# KiCad board keyboard.kicad_pcb (continued)
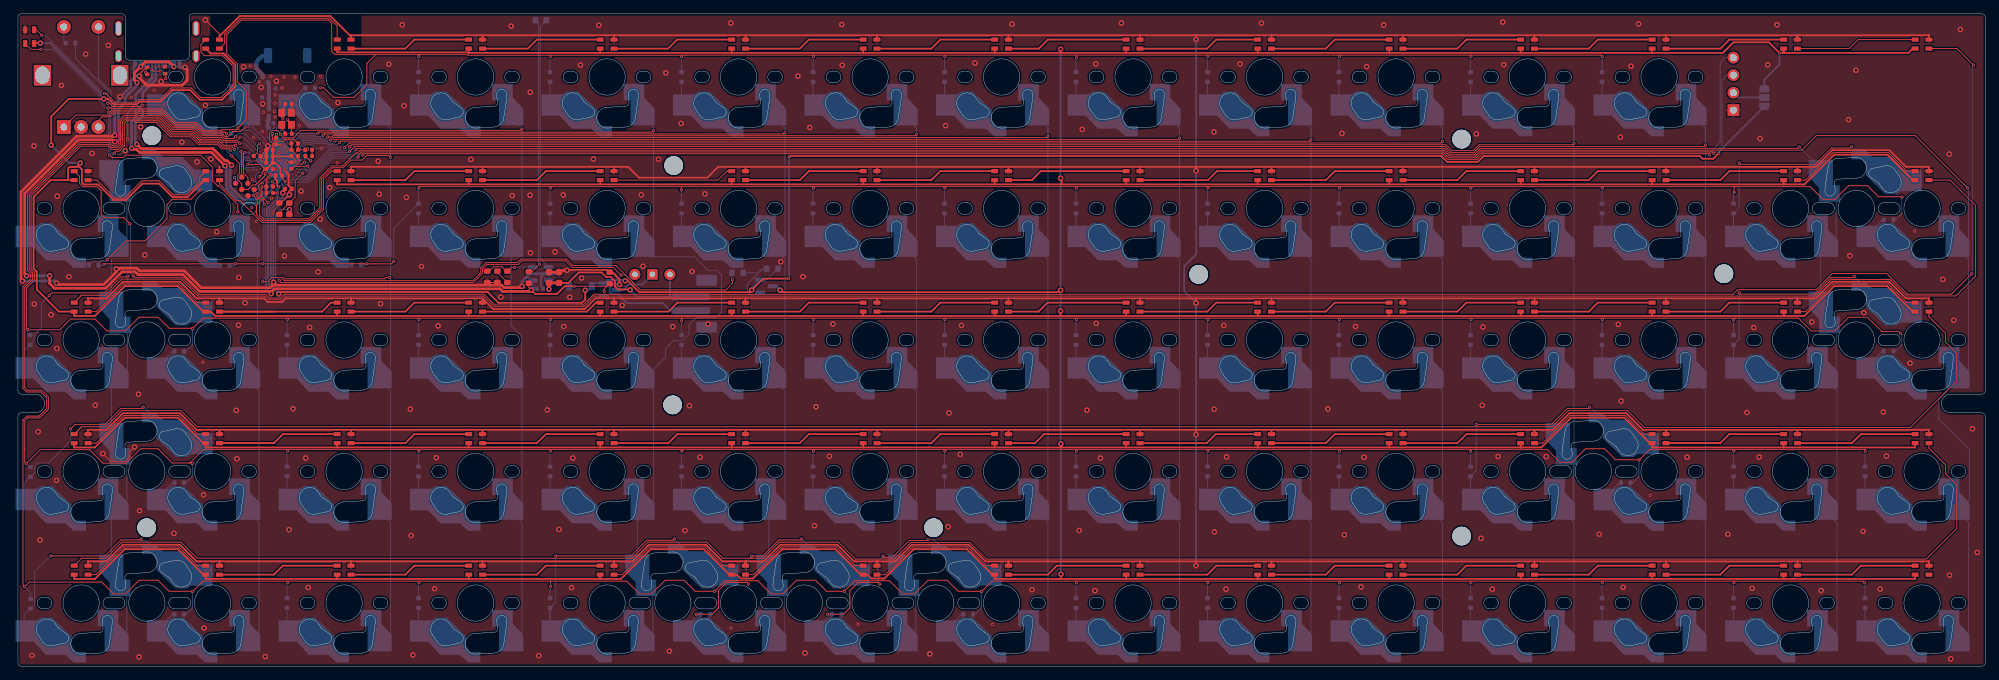
[diagram p0: board, top side]
## Routing (per net, layer and track width the routed paths; a pad name or vN(x,y) marks a point on that pad's centre or on a via; arc(x,y) is an arc through that point) (continued)
/SW0: length 2.5
  Bottom w0.13: SW0.S1 6.65,90.53 D0.2
/SW15: length 24.7
  Top w0.13: v1(12.93,58.87) 15.66,61.6 18.4,61.6 21.58,64.78 21.58,66.85 22.37,67.64 25.05,67.64 v1(26.39,68.98)
  Bottom w0.13: D15.2 10.84,58.66 12.72,58.66 v1(12.93,58.87) ; 9.04,58.36 9.16,58.24 10.27,58.24 ; SW76.1 26.88,69.46 v1(26.39,68.98)
/SW28: length 33.8
  Top w0.13: v1(249.36,72.88) 249.54,72.7 260.36,72.7 262.72,75.06 265.46,75.06 v1(265.66,75.26)
  Bottom w0.13: 248.54,62.31 SW28.1 248.54,62.31 ; 248.54,62.31 D28.2 ; 248.54,62.31 D28.2 ; D28.2 249.36,66.42 v1(249.36,72.88) ; v1(265.66,75.26) 267.05,73.87
/SW35: length 30.6
  Top w0.13: v1(4.53,53.69) 4.92,54.08 12.6,54.08 14.91,56.39 15.8,56.39 v1(15.92,56.51)
  Bottom w0.13: 20.39,54.44 19.77,55.06 16.36,55.06 15.92,55.5 v1(15.92,56.51) ; 0.89,43.26 SW30.1 0.89,43.26 ; 0.89,43.26 0.89,45.69 D30.2 2.32,47.12 2.32,47.98 3.42,49.08 3.42,52.58 v1(4.53,53.69)
/SW43: length 35.3
  Top w0.13: v1(266.02,56.45) 265.85,56.28 262.61,56.28 260.22,53.89 249.55,53.89 v1(249.36,54.08)
  Bottom w0.13: 248.54,43.26 SW43.1 248.54,43.26 ; 248.54,43.26 D43.2 ; 248.54,43.26 D43.2 ; v1(266.02,56.45) 268.04,54.44 ; D43.2 249.36,47.37 v1(249.36,54.08)
/SW45: length 29
  Top w0.13: v1(18.14,37.53) 17.95,37.34 14.91,37.34 12.6,35.03 8.26,35.03 v1(7.6,34.37)
  Bottom w0.13: v1(18.14,37.53) 18.16,37.51 18.27,37.51 20.39,35.39 ; 0.89,24.21 SW45.1 0.89,24.21 ; 0.89,24.21 0.89,26.5 D45.2 2.47,28.08 2.47,29.08 2.84,29.45 4.42,29.45 7.6,32.63 v1(7.6,34.37)
/SW56: length 35.2
  Top w0.13: v1(227.69,37.53) 227.5,37.34 224.46,37.34 222.15,35.03 v1(211.26,35.03)
  Bottom w0.13: 210.44,24.21 SW56.1 210.44,24.21 ; 210.44,24.21 D56.2 ; 210.44,24.21 D56.2 ; v1(211.26,35.03) 211.26,28.32 D56.2 ; v1(227.69,37.53) 227.71,37.51 227.82,37.51 229.94,35.39
/SW60: length 30
  Top w0.13: v1(4.75,15.98) 12.6,15.98 14.91,18.29 17.73,18.29 v1(17.85,18.41)
  Bottom w0.13: 20.39,16.34 18.55,18.18 18.08,18.18 v1(17.85,18.41) ; SW60.1 0.89,5.16 0.89,7.4 D60.2 2.42,8.93 2.42,13.65 v1(4.75,15.98)
/SW64: length 34.3
  Top w0.13: v1(95.08,18.43) 94.89,18.24 91.07,18.24 88.8,15.98 v1(77.91,15.98)
  Bottom w0.13: v1(95.08,18.43) 95.81,17.7 95.81,17.26 ; 77.09,5.16 SW64.1 77.09,5.16 ; 77.09,5.16 D64.2 ; 77.09,5.16 D64.2 ; D64.2 77.91,9.27 v1(77.91,15.98)
/SW65: length 29.6
  Top w0.13: v1(98.23,7.53) 100.58,7.53 101.47,8.42 101.47,10.94 102.65,12.12 105.6,12.12 v1(105.82,11.9) ; v1(106.28,15.96) 107.9,15.96 110.23,18.29 113.4,18.29 v1(113.54,18.44)
  Bottom w0.13: v1(113.54,18.44) 114.28,17.7 114.28,17.48 ; 98.63,7.53 D65.2 ; 98.63,7.53 D65.2 ; 98.63,7.53 SW65.1 ; D65.2 98.87,7.53 v1(98.23,7.53) ; v1(106.28,15.96) 105.58,15.26 105.58,12.14 v1(105.82,11.9)
/SW66: length 31.2
  Top w0.13: v1(125.33,15.96) 125.51,15.78 126.7,15.78 126.9,15.98 126.9,15.98 129.12,18.2 131.69,18.2 v1(131.85,18.36) ; v1(124.87,11.9) 124.65,12.12 121.7,12.12 120.52,10.94 120.52,8.42 119.63,7.53 v1(117.28,7.53)
  Bottom w0.13: v1(125.33,15.96) 124.63,15.26 124.63,12.14 v1(124.87,11.9) ; v1(117.28,7.53) 117.91,7.53 D66.2 117.68,7.53 SW66.1 ; v1(131.85,18.36) 132.67,18.36 134.69,16.34
Net-(AE0-A): length 4.6
  Bottom w0.6: R7.2 35.49,85.56 34.84,86.2 arc(34.63,86.53) 34.55,86.91 34.55,87.17 arc(34.63,87.55) 34.84,87.87 35.13,88.16 arc(35.45,88.37) 35.83,88.45 AE0.1
Net-(C5-Pad1): length 4
  Bottom w0.6: R7.1 36.36,84.44 36.36,80.7 L1.2
Net-(D1-A): length 1.2
  Bottom w0.13: D1.2 28.57,77.17 28.41,77.33
Net-(D2-A): length 3.6
  Bottom w0.13: D2.2 41.49,83.74 SW2.1
Net-(D3-A): length 3.4
  Bottom w0.13: D3.2 58.04,81.36 SW3.1
Net-(D4-A): length 3.4
  Bottom w0.13: SW4.1 77.09,81.36 D4.2
Net-(D5-A): length 3.4
  Bottom w0.13: SW5.1 96.14,81.36 D5.2
Net-(D6-A): length 3.4
  Bottom w0.13: SW6.1 115.19,81.36 D6.2
Net-(D7-A): length 3.4
  Bottom w0.13: D7.2 134.24,81.36 SW7.1
Net-(D8-A): length 3.4
  Bottom w0.13: SW8.1 153.29,81.36 D8.2
Net-(D9-A): length 3.4
  Bottom w0.13: D9.2 172.34,81.36 SW9.1
Net-(D10-A): length 3.4
  Bottom w0.13: SW10.1 191.39,81.36 D10.2
Net-(D11-A): length 3.4
  Bottom w0.13: D11.2 210.44,81.36 SW11.1
Net-(D12-A): length 3.4
  Bottom w0.13: D12.2 229.49,81.36 SW12.1
Net-(D16-A): length 0.9
  Bottom w0.13: 28.46,58.22 28.63,58.05 D16.2
Net-(D17-A): length 0.9
  Bottom w0.13: 47.47,58.33 47.65,58.15 D17.2
Net-(D18-A): length 3.4
  Bottom w0.13: D18.2 58.04,62.31 SW18.1
Net-(D19-A): length 3.4
  Bottom w0.13: D19.2 77.09,62.31 SW19.1
Net-(D20-A): length 3.4
  Bottom w0.13: D20.2 96.14,62.31 SW20.1
Net-(D21-A): length 3.4
  Bottom w0.13: D21.2 115.19,62.31 SW21.1
Net-(D22-A): length 3.4
  Bottom w0.13: D22.2 134.24,62.31 SW22.1
Net-(D23-A): length 3.4
  Bottom w0.13: D23.2 153.29,62.31 SW23.1
Net-(D24-A): length 3.4
  Bottom w0.13: SW24.1 172.34,62.31 D24.2
Net-(D25-A): length 3.4
  Bottom w0.13: D25.2 191.39,62.31 SW25.1
Net-(D26-A): length 3.4
  Bottom w0.13: SW26.1 210.44,62.31 D26.2
Net-(D27-A): length 3.4
  Bottom w0.13: SW27.1 229.49,62.31 D27.2
Net-(D29-A): length 3.8
  Bottom w0.13: 270.32,64.68 270.08,64.68 SW29.1 267.59,62.31
Net-(D31-A): length 3.8
  Bottom w0.13: 22.67,45.63 22.43,45.63 SW31.1 19.94,43.26
Net-(D32-A): length 3.4
  Bottom w0.13: SW32.1 38.99,43.26 D32.2
Net-(D33-A): length 3.4
  Bottom w0.13: D33.2 58.04,43.26 SW33.1
Net-(D34-A): length 3.4
  Bottom w0.13: SW34.1 77.09,43.26 D34.2
Net-(D35-A): length 3.4
  Bottom w0.13: SW35.1 96.14,43.26 D35.2
Net-(D36-A): length 3.4
  Bottom w0.13: SW36.1 115.19,43.26 D36.2
Net-(D37-A): length 3.4
  Bottom w0.13: SW37.1 134.24,43.26 D37.2
Net-(D38-A): length 3.4
  Bottom w0.13: D38.2 153.29,43.26 SW38.1
Net-(D39-A): length 3.4
  Bottom w0.13: SW39.1 172.34,43.26 D39.2
Net-(D40-A): length 3.4
  Bottom w0.13: D40.2 191.39,43.26 SW40.1
Net-(D41-A): length 3.4
  Bottom w0.13: D41.2 210.44,43.26 SW41.1
Net-(D42-A): length 3.4
  Bottom w0.13: D42.2 229.49,43.26 SW42.1
Net-(D44-A): length 3.7
  Bottom w0.13: D44.2 270.08,45.63 SW44.1
Net-(D46-A): length 3.8
  Bottom w0.13: D46.2 22.43,26.58 SW46.1 19.94,24.21
Net-(D47-A): length 3.4
  Bottom w0.13: D47.2 38.99,24.21 SW47.1
Net-(D48-A): length 3.4
  Bottom w0.13: SW48.1 58.04,24.21 D48.2
Net-(D49-A): length 3.4
  Bottom w0.13: SW49.1 77.09,24.21 D49.2
Net-(D50-A): length 3.4
  Bottom w0.13: SW50.1 96.14,24.21 D50.2
Net-(D51-A): length 3.4
  Bottom w0.13: D51.2 115.19,24.21 SW51.1
Net-(D52-A): length 3.4
  Bottom w0.13: D52.2 134.24,24.21 SW52.1
Net-(D53-A): length 3.4
  Bottom w0.13: D53.2 153.29,24.21 SW53.1
Net-(D54-A): length 3.4
  Bottom w0.13: D54.2 172.34,24.21 SW54.1
Net-(D55-A): length 3.4
  Bottom w0.13: D55.2 191.39,24.21 SW55.1
Net-(D57-A): length 3.8
  Bottom w0.13: 229.49,24.21 SW57.1 231.98,26.58 232.22,26.58
Net-(D58-A): length 3.4
  Bottom w0.13: D58.2 248.54,24.21 SW58.1
Net-(D59-A): length 3.4
  Bottom w0.13: D59.2 267.59,24.21 SW59.1
Net-(D61-A): length 3.7
  Bottom w0.13: SW61.1 22.43,7.53 D61.2
Net-(D62-A): length 3.4
  Bottom w0.13: SW62.1 38.99,5.16 D62.2
Net-(D63-A): length 3.4
  Bottom w0.13: SW63.1 58.04,5.16 D63.2
Net-(D67-A): length 3.7
  Bottom w0.13: D67.2 136.73,7.53 SW67.1
Net-(D68-A): length 3.4
  Bottom w0.13: D68.2 153.29,5.16 SW68.1
Net-(D69-A): length 3.4
  Bottom w0.13: D69.2 172.34,5.16 SW69.1
Net-(D70-A): length 3.4
  Bottom w0.13: SW70.1 191.39,5.16 D70.2
Net-(D71-A): length 3.4
  Bottom w0.13: SW71.1 210.44,5.16 D71.2
Net-(D72-A): length 3.4
  Bottom w0.13: D72.2 229.49,5.16 SW72.1
Net-(D73-A): length 3.4
  Bottom w0.13: SW73.1 248.54,5.16 D73.2
Net-(D74-A): length 3.4
  Bottom w0.13: SW74.1 267.59,5.16 D74.2
Net-(D75-A): length 37.6
  Top w0.13: v1(75.57,58.25) 74.44,57.12 R0.1
  Bottom w0.13: D75.2 75.39,93.15 75.39,58.43 v1(75.57,58.25)
Net-(D75-K): length 36.6
  Bottom w0.13: U2.1 75.65,59.03 75.65,92.67 D75.1
Net-(J0-CC1): length 1.3
  Top w0.13: R4.2 18.48,85.97 v1(18.48,86.04)
  Bottom w0.13: v1(18.48,86.04) 18.48,86.28 18.93,86.73
Net-(J0-CC2): length 2.5
  Top w0.13: R5.2 21.39,85.76 v1(21.39,85.14)
  Bottom w0.13: 21.93,86.73 21.93,86.12 21.39,85.58 v1(21.39,85.14)
Net-(J1-SWCLK): length 6
  Top w0.13: J1.4 33.32,70.78 32.68,71.42 32.68,74.21 v1(32.89,74.42)
  Bottom w0.13: U0.AA24 33.45,74.42 v1(32.89,74.42)
Net-(J1-SWDIO): length 5.5
  Top w0.13: J1.2 32.42,74.47 v1(32.31,74.58)
  Bottom w0.13: U0.AC24 32.99,73.64 32.31,74.32 v1(32.31,74.58)
Net-(J3-Pin_2): length 4.8
  Bottom w0.25: J3.2 249.23,82.38 JP0.2
Net-(L0-Pad2): length 0.9
  Top w0.13: L0.2 L3.1
Net-(LED0-DOUT): length 45.7
  Top w0.13: v1(3.45,91.39) 2.65,92.19 LED0.1 ; LED1.3 26.5,90.07 26.5,88.97 27.04,88.43 29.66,88.43 31.17,86.92 31.17,84.11 29.44,82.38 26.47,82.38 25.09,83.76 22.21,83.76 20.55,82.1 17.45,82.1 17.06,81.71 14.02,81.71 12.77,82.96 v1(12.55,82.96)
  Bottom w0.13: v1(3.45,91.39) 3.52,91.32 4.03,91.32 12.39,82.96 v1(12.55,82.96)
Net-(LED1-DOUT): length 22.1
  Top w0.13: LED1.1 29.95,90.21 29.95,91.55 32.25,93.85 45.14,93.86 46.25,92.75 LED2.3
Net-(LED2-DOUT): length 18.2
  Top w0.25: LED3.3 57.43,90.76 56.12,89.46 LED2.1 48.83,89.46
Net-(LED3-DOUT): length 17.6
  Top w0.25: LED4.3 75.17,90.76 73.87,89.46 LED3.1
Net-(LED4-DOUT): length 17.6
  Top w0.25: LED4.1 94.18,89.46 95.48,90.76 LED5.3
Net-(LED5-DOUT): length 17.6
  Top w0.25: LED5.1 113.28,89.46 114.57,90.76 LED6.3
Net-(LED6-DOUT): length 17.6
  Top w0.25: LED7.3 133.62,90.76 132.32,89.46 LED6.1
Net-(LED7-DOUT): length 17.6
  Top w0.25: LED7.1 147.9,89.46 149.2,90.76 LED8.3
Net-(LED8-DOUT): length 17.6
  Top w0.25: LED8.1 172.28,89.46 173.58,90.76 LED9.3
Net-(LED10-DIN): length 17.6
  Top w0.25: LED10.3 190.77,90.76 189.48,89.46 LED9.1
Net-(LED10-DOUT): length 17.6
  Top w0.25: LED11.3 209.82,90.76 208.52,89.46 LED10.1
Net-(LED11-DOUT): length 17.6
  Top w0.25: LED12.3 228.88,90.76 227.57,89.46 LED11.1
Net-(LED12-DOUT): length 17.6
  Top w0.25: LED13.3 247.93,90.76 246.62,89.46 LED12.1
Net-(LED13-DOUT): length 17.6
  Top w0.13: LED13.1 265.31,89.46 266.61,90.76 LED14.3
Net-(LED14-DOUT): length 332.2
  Top w0.13: v1(16.22,64.08) 15.33,64.97 12.55,64.97 12.05,65.47 12.05,68.86 11.46,69.45 9.41,69.45 8.92,69.94 8.92,70.94 LED15.3 ; v1(16.69,56.54) 16.91,56.33 23.73,56.33 26.19,53.87 35.91,53.87 36.44,53.33 38.03,53.33 38.57,53.88 67.53,53.88 69.09,52.32 81.88,52.32 83.42,53.87 248.47,53.87 249.14,54.54 260.5,54.54 262.86,56.89 270.73,56.89 273.74,53.89 280.09,53.89 v1(283.05,56.85) ; v1(283.31,87.05) 283.31,87.07 280.92,89.46 LED14.1
  Bottom w0.13: v1(16.69,56.54) 16.32,56.92 16.32,63.98 v1(16.22,64.08) ; v1(283.31,87.05) 283.13,86.87 283.13,56.93 v1(283.05,56.85)
Net-(LED15-DOUT): length 21.8
  Top w0.13: LED15.1 11.45,70.41 14.03,67.83 15.47,67.83 17.95,70.31 20.49,70.31 22.52,68.28 24.44,68.28 24.92,68.77 25.12,68.99 26.34,70.21 26.34,70.85 LED16.3
Net-(LED16-DOUT): length 25.5
  Top w0.13: LED17.3 45.44,71.71 44.26,70.53 44.26,66.18 42.35,64.27 35.34,64.27 32.14,67.47 31.62,67.47 29.2,69.89 LED16.1
Net-(LED17-DOUT): length 17.6
  Top w0.25: LED17.1 56.12,70.41 57.43,71.71 LED18.3
Net-(LED18-DOUT): length 17.6
  Top w0.25: LED18.1 75.18,70.41 76.47,71.71 LED19.3
Net-(LED19-DOUT): length 17.6
  Top w0.13: LED20.3 102.71,71.71 101.41,70.41 LED19.1
Net-(LED20-DOUT): length 17.6
  Top w0.25: LED21.3 114.57,71.71 113.28,70.41 LED20.1
Net-(LED21-DOUT): length 17.6
  Top w0.25: LED22.3 133.62,71.71 132.32,70.41 LED21.1
Net-(LED22-DOUT): length 17.6
  Top w0.25: LED22.1 146.87,70.41 148.17,71.71 LED23.3
Net-(LED23-DOUT): length 17.6
  Top w0.25: LED23.1 172.4,70.41 173.7,71.71 LED24.3
Net-(LED24-DOUT): length 17.6
  Top w0.25: LED24.1 189.48,70.41 190.77,71.71 LED25.3
Net-(LED25-DOUT): length 17.6
  Top w0.25: LED26.3 209.82,71.71 208.52,70.41 LED25.1
Net-(LED26-DOUT): length 17.6
  Top w0.25: LED27.3 228.88,71.71 227.57,70.41 LED26.1
Net-(LED27-DOUT): length 17.6
  Top w0.25: LED27.1 246.62,70.41 247.93,71.71 LED28.3
Net-(LED28-DOUT): length 19.8
  Top w0.13: LED29.3 273.67,71.71 270.96,74.42 262.99,74.42 258.98,70.41 LED28.1
Net-(LED29-DOUT): length 302.8
  Top w0.13: 9.22,53.74 12.72,53.74 15.05,56.07 23.62,56.07 26.08,53.61 35.8,53.61 36.34,53.07 38.13,53.07 38.67,53.61 67.43,53.61 68.98,52.06 81.99,52.06 83.53,53.61 260.31,53.61 262.71,56.01 271.25,56.01 273.63,53.63 280.74,53.63 283.61,56.5 283.61,66.73 279.93,70.41 LED29.1 ; 9.22,53.74 LED30.3 9.22,53.74
Net-(LED30-DOUT): length 19.8
  Top w0.13: LED30.1 11.33,51.36 15.34,55.37 23.31,55.37 26.02,52.66 LED31.3
Net-(LED31-DOUT): length 25.5
  Top w0.25: 37.08,51.36 LED31.1 44.05,51.36 45.35,52.66 LED32.3
Net-(LED32-DOUT): length 17.6
  Top w0.25: LED32.1 56.12,51.36 57.43,52.66 LED33.3
Net-(LED33-DOUT): length 17.6
  Top w0.25: LED33.1 82.43,51.36 83.73,52.66 LED34.3
Net-(LED34-DOUT): length 17.6
  Top w0.25: LED35.3 95.53,52.66 94.22,51.36 LED34.1
Net-(LED35-DOUT): length 17.6
  Top w0.25: LED35.1 113.28,51.36 114.57,52.66 LED36.3
Net-(LED36-DOUT): length 17.6
  Top w0.25: LED37.3 133.62,52.66 132.32,51.36 LED36.1
Net-(LED37-DOUT): length 17.6
  Top w0.25: LED38.3 149.15,52.66 147.85,51.36 LED37.1
Net-(LED38-DOUT): length 17.6
  Top w0.25: LED39.3 173.59,52.66 172.29,51.36 LED38.1
Net-(LED39-DOUT): length 17.6
  Top w0.25: LED40.3 190.77,52.66 189.48,51.36 LED39.1
Net-(LED40-DOUT): length 17.6
  Top w0.25: LED41.3 209.82,52.66 208.52,51.36 LED40.1
Net-(LED41-DOUT): length 17.6
  Top w0.25: LED41.1 227.57,51.36 228.88,52.66 LED42.3
Net-(LED42-DOUT): length 17.6
  Top w0.25: LED42.1 246.62,51.36 247.93,52.66 LED43.3
Net-(LED43-DOUT): length 19.8
  Top w0.13: LED44.3 273.67,52.66 270.96,55.37 262.99,55.37 258.98,51.36 LED43.1
Net-(LED44-DOUT): length 293.1
  Top w0.13: 9.22,34.69 12.72,34.69 15.05,37.02 23.62,37.02 25.95,34.69 218.7,34.69 ; 9.22,34.69 LED45.3 9.22,34.69 ; 218.77,34.69 222.27,34.69 224.6,37.02 233.17,37.02 235.63,34.56 274.13,34.56 280.89,41.32 280.89,45.32 279.24,46.97 279.24,48.24 276.85,50.63 LED44.1
Net-(LED45-DOUT): length 19.8
  Top w0.13: LED45.1 11.33,32.31 15.34,36.32 23.31,36.32 26.02,33.61 LED46.3
Net-(LED46-DOUT): length 25.5
  Top w0.25: 37.08,32.31 LED46.1 37.08,32.31 ; 37.08,32.31 38.38,33.61 LED47.3
Net-(LED47-DOUT): length 17.6
  Top w0.25: LED47.1 56.12,32.31 57.43,33.61 LED48.3
Net-(LED48-DOUT): length 17.6
  Top w0.25: LED48.1 75.18,32.31 76.47,33.61 LED49.3
Net-(LED49-DOUT): length 17.6
  Top w0.25: LED50.3 95.53,33.61 94.22,32.31 LED49.1
Net-(LED50-DOUT): length 17.6
  Top w0.25: LED50.1 113.28,32.31 114.57,33.61 LED51.3
Net-(LED51-DOUT): length 17.6
  Top w0.25: LED52.3 133.62,33.61 132.32,32.31 LED51.1
Net-(LED52-DOUT): length 17.6
  Top w0.25: LED53.3 148.65,33.61 147.35,32.31 LED52.1
Net-(LED53-DOUT): length 17.6
  Top w0.25: LED53.1 172.21,32.31 173.51,33.61 LED54.3
Net-(LED54-DOUT): length 17.6
  Top w0.25: LED54.1 189.48,32.31 190.77,33.61 LED55.3
Net-(LED55-DOUT): length 17.6
  Top w0.25: LED55.1 208.52,32.31 209.82,33.61 LED56.3
Net-(LED56-DOUT): length 19.8
  Top w0.13: LED56.1 220.88,32.31 224.89,36.32 232.86,36.32 235.57,33.61 LED57.3
Net-(LED57-DOUT): length 25.5
  Top w0.25: 246.62,32.31 LED57.1 246.62,32.31 ; 246.62,32.31 247.93,33.61 LED58.3
Net-(LED58-DOUT): length 17.6
  Top w0.25: LED58.1 265.68,32.31 266.98,33.61 LED59.3
Net-(LED59-DOUT): length 296.8
  Top w0.13: 85.43,15.64 88.92,15.64 91.25,17.97 99.82,17.97 102.15,15.64 107.97,15.64 110.3,17.97 118.87,17.97 121.32,15.52 126.97,15.52 129.37,17.92 137.9,17.92 140.3,15.52 276.47,15.52 280.89,19.94 280.89,26.27 279.24,27.92 279.24,29.19 276.85,31.58 LED59.1 ; 85.35,15.64 25.95,15.64 23.62,17.97 15.05,17.97 12.72,15.64 9.22,15.64 LED60.3
Net-(LED60-DOUT): length 19.8
  Top w0.13: LED61.3 26.02,14.56 23.31,17.27 15.34,17.27 11.33,13.26 LED60.1
Net-(LED61-DOUT): length 17.6
  Top w0.25: LED62.3 38.38,14.56 37.08,13.26 LED61.1
Net-(LED62-DOUT): length 17.6
  Top w0.25: LED62.1 56.12,13.26 57.43,14.56 LED63.3
Net-(LED63-DOUT): length 17.6
  Top w0.25: LED63.1 75.18,13.26 76.47,14.56 LED64.3
Net-(LED64-DOUT): length 19.8
  Top w0.13: LED64.1 87.53,13.26 91.54,17.27 99.51,17.27 102.22,14.56 LED65.3
Net-(LED65-DOUT): length 19.8
  Top w0.13: LED66.3 121.27,14.56 118.56,17.27 110.59,17.27 106.58,13.26 LED65.1
Net-(LED66-DOUT): length 19.8
  Top w0.13: LED66.1 125.63,13.26 129.64,17.27 137.61,17.27 140.32,14.56 LED67.3
Net-(LED67-DOUT): length 17.6
  Top w0.25: LED68.3 150.49,14.56 149.19,13.26 LED67.1
Net-(LED68-DOUT): length 17.6
  Top w0.25: LED68.1 172.31,13.26 173.61,14.56 LED69.3
Net-(LED69-DOUT): length 17.6
  Top w0.25: LED70.3 190.77,14.56 189.48,13.26 LED69.1
Net-(LED70-DOUT): length 17.6
  Top w0.25: LED71.3 209.82,14.56 208.52,13.26 LED70.1
Net-(LED71-DOUT): length 17.6
  Top w0.25: LED72.3 228.88,14.56 227.57,13.26 LED71.1
Net-(LED72-DOUT): length 17.6
  Top w0.25: LED72.1 246.62,13.26 247.93,14.56 LED73.3
Net-(LED73-DOUT): length 17.6
  Top w0.25: LED73.1 265.68,13.26 266.98,14.56 LED74.3
Net-(Q1-G): length 10
  Bottom w0.13: R12.1 107.29,56.99 107.88,57.58 ; 107.88,57.58 R11.1 ; 107.88,57.58 105.66,55.36 105.66,54.28 106.15,53.79 107.22,53.79 Q1.1
Net-(R2-Pad2): length 2.3
  Top w0.13: R2.2 69.45,57.03 R3.1
Net-(U0-ANT): length 4.2
  Bottom w0.13: C4.1 36.08,77.73 36.08,76.62 36.53,76.17 U0.H23
  Bottom w0.6: L1.1 36.34,79.13 36.19,78.98 36.19,78.14 C4.1
Net-(U0-DCC): length 2.1
  Top w0.13: L0.1 42.34,73.2 v1(42.43,73.2)
  Bottom w0.13: U0.B3 42.17,73.46 v1(42.43,73.2)
Net-(U0-DCCH): length 2.1
  Top w0.25: L2.2 37.31,70.49 37.56,70.24 37.56,69.62 v1(37.78,69.4)
  Bottom w0.13: v1(37.78,69.4) 37.94,69.56 U0.AB2
Net-(U0-DEC1): length 3
  Top w0.13: v1(42.01,72.43) 41.99,72.41 40,72.41 C21.2
  Bottom w0.13: v1(42.01,72.43) 41.8,72.43 U0.C1
Net-(U0-DEC3): length 1
  Top w0.13: C20.2 37.38,76.96 v1(37.45,77.03)
  Bottom w0.13: v1(37.45,77.03) 37.45,76.86 U0.D23
Net-(U0-DEC4): length 9.2
  Top w0.13: v1(41.95,74.93) 41.77,74.93 L3.2 C16.1 C17.1 40.05,76.26 38.78,76.26 38.56,76.03 37.08,76.03 36.86,76.25 v1(36.86,77.14)
  Bottom w0.13: v1(36.86,77.14) 36.7,76.98 U0.E24 ; v1(41.95,74.93) 41.95,74.64 U0.B5
Net-(U0-DEC5): length 2.6
  Top w0.13: v1(34.99,75.69) 34.7,75.4 34.7,74.44 C19.2
  Bottom w0.13: U0.N24 35.27,75.41 v1(34.99,75.69)
Net-(U0-DECUSB): length 1.3
  Top w0.13: C18.2 36.95,70.14 v1(36.86,70.23)
  Bottom w0.13: v1(36.86,70.23) 36.94,70.23 U0.AC5
Net-(U0-XC1): length 4.6
  Top w0.13: C8.1 38.71,81.15 38.22,80.66 Y0.3 38.22,79.51 v1(38.36,79.37)
  Bottom w0.13: U0.B24 37.41,77.87 38.36,78.82 v1(38.36,79.37)
Net-(U0-XC2): length 4.3
  Top w0.13: v1(39.07,79.16) 39.62,78.61 Y0.1 39.62,77.18 C7.1
  Bottom w0.13: v1(39.07,79.16) 38.12,78.21 U0.A23
Net-(U2-PROG): length 7.4
  Top w0.13: v1(71.96,57.77) 71.46,57.77 R3.2 70.74,57.22 70.1,57.86 68.92,57.86 68.28,57.22 R1.2
  Bottom w0.13: v1(71.96,57.77) 72,57.81 U2.5

## Copper pours and planes (outline as drawn; the poured copper is in the pictures)
GND on Top, Bottom: -51.81,115.6 328.19,115.6 328.19,-34.4 -51.81,-34.4

## Text on the board
B.Silkscreen: 20240422 v1
User.Comments: layer {dblquote}F.Silkscreen{dblquote} type {dblquote}Top Silk Screen{dblquote} Color {dblquote}Not specified{dblquote} Material {dblquote}Not specified{dblquote} / layer {dblquote}F.Paste{dblquote} type {dblquote}Top Solder Paste{dblquote} / layer {dblquote}F.Mask{dblquote} type {dblquote}Top Solder Mask{dblquote} Color {dblquote}Not specified{dblquote} Thickness 0.01 mm Material {dblquote}Not specified{dblquote} EpsilonR 3.3 LossTg 0 / layer {dblquote}F.Cu{dblquote} type {dblquote}copper{dblquote} Thickness 0.035 mm / layer {dblquote}Dielectric 1{dblquote} type {dblquote}core{dblquote} / sublayer {dblquote}1/1{dblquote} Color {dblquote}Not specified{dblquote} Thickness 1.11 mm Material {dblquote}FR4{dblquote} EpsilonR 4.5 LossTg 0.02 / layer {dblquote}B.Cu{dblquote} type {dblquote}copper{dblquote} Thickness 0.035 mm / layer {dblquote}B.Mask{dblquote} type {dblquote}Bottom Solder Mask{dblquote} Color {dblquote}Not specified{dblquote} Thickness 0.01 mm Material {dblquote}Not specified{dblquote} EpsilonR 3.3 LossTg 0 / layer {dblquote}B.Paste{dblquote} type {dblquote}Bottom Solder Paste{dblquote} / layer {dblquote}B.Silkscreen{dblquote} type {dblquote}Bottom Silk Screen{dblquote} Color {dblquote}Not specified{dblquote} Material {dblquote}Not specified{dblquote} / Finish {dblquote}None{dblquote} Option {dblquote}Impedance Controlled{dblquote}
